# Altium PCB 2m_DBoard_RX.PcbDoc (part 2 of 3)
Units mm, origin at the board's own origin, x right, y up, seen from the top; angles counter-clockwise.
Board outline 63.5 x 139.7 mm, 8 copper layers (Top RF, AGND, AVDD, DVDD, GND 2, Signal 1, GND 1, Bottom Layer), stack 1.544 mm thick; 234 components, 188 nets, 1048 pads, 1067 vias.
Unrouted connection lines stored in the file: 2.
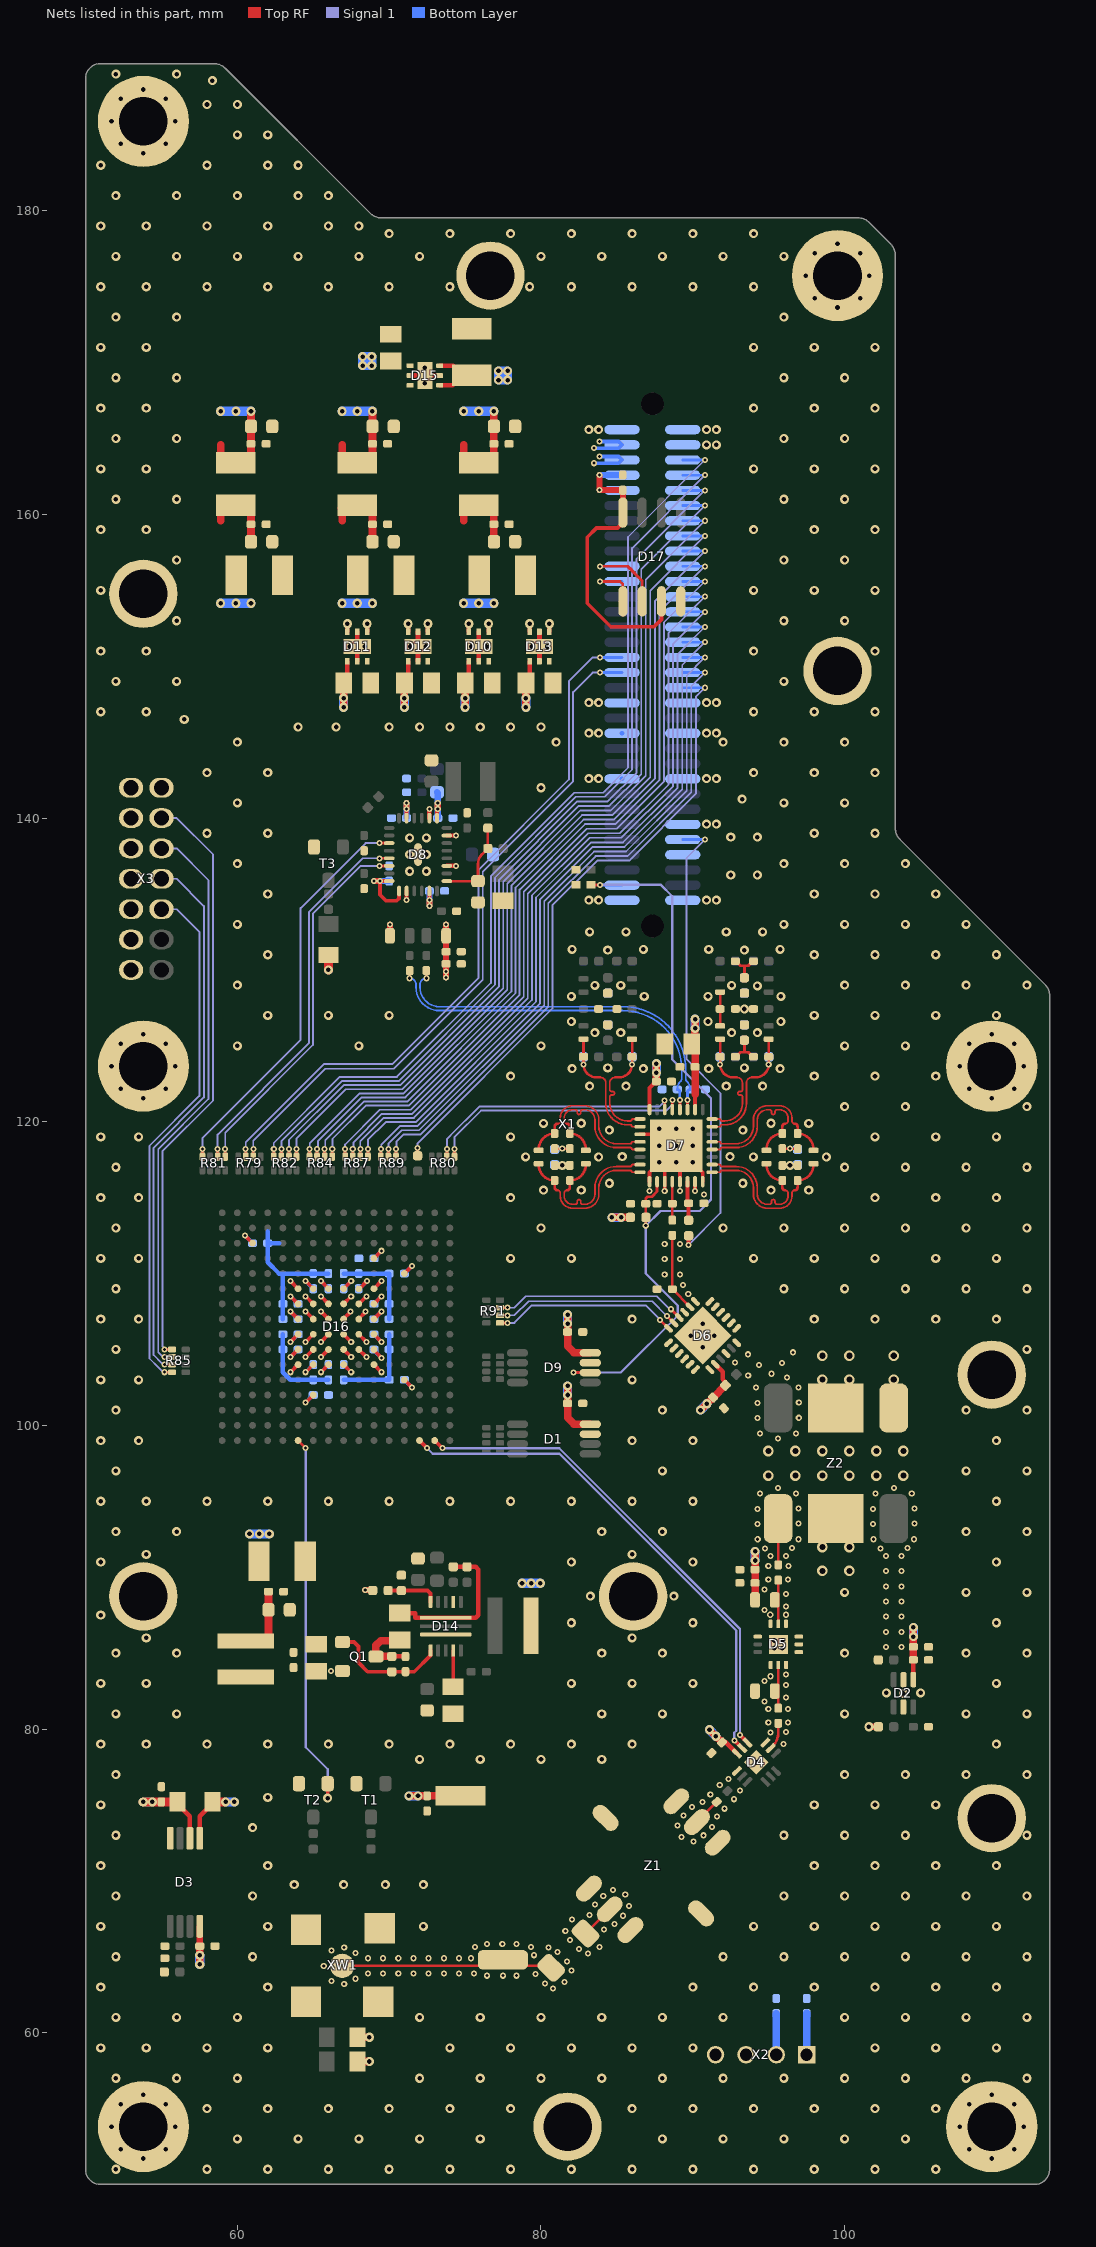
[diagram p8: the nets of this part, all layers, seen from the top]

## Part data (continued)
R15 R19 R25 R30: "SMD Resistor", Manufacturer="Panasonic Electronic Components", Power="0.063 Wt", Temperature Range=-55…155°C, Tolerance=0.5%, Name="Chip SMD Resistor", P/N=ERJ-2RKD24R9X, Supplier 1=Digi-key, Supplier 2=Mouser, Supplier 3=Farnell, Supplier Part Number 2=667-ERJ-2RKD24R9X
R17 R27: "SMD Resistor", Power="0.1 Wt", Supplier Part Number 1=P0.0JCT-ND, Temperature Range=-55…155°C, Tolerance=1%, Name="Chip SMD Resistor", P/N=ERJ-2GE0R00X, Supplier 1=Digi-key, Supplier 2=Mouser, Supplier 3=Farnell, Supplier Part Number 2=667-ERJ-2GE0R00X
R20: "SMD Resistor", Manufacturer="Panasonic Electronic Components", Power="0.062 Wt", Supplier Part Number 1=P100JCT-ND, Temperature Range=-55…155°C, Tolerance=5%, Name="Chip SMD Resistor", P/N=ERJ-2GEJ101X, Supplier 1=Digi-key, Supplier 2=Mouser, Supplier 3=Farnell, Supplier Part Number 2=667-ERJ-2GEJ101X
R23: "SMD Resistor", Manufacturer="Panasonic Electronic Components", Power="0.2 Wt", Supplier Part Number 1=P47DCCT-ND, Temperature Range=-55…155°C, Tolerance=0.1%, Name="Chip SMD Resistor", P/N=ERA-2AEB470X, Supplier 1=Digi-key, Supplier 2=Mouser, Supplier 3=Farnell, Supplier Part Number 2=667-ERA-2AEB470X
R29: "SMD Resistor", Manufacturer="Panasonic Electronic Components", Power="0.2 Wt", Supplier Part Number 1=P28.7LCT-ND, Temperature Range=-55…155°C, Tolerance=1%, Name="Chip SMD Resistor", P/N=ERJ-2RKF28R7X, Supplier 1=Digi-key, Supplier 2=Mouser, Supplier 3=Farnell
R31: "SMD Resistor", Power="0.1 Wt", Supplier Part Number 1=P15.0HCT-ND, Temperature Range=-55…155°C, Tolerance=1%, Name="Chip SMD Resistor", P/N=ERJ-3EKF15R0V, Supplier 1=Digi-key, Supplier 2=Mouser, Supplier 3=Farnell, Supplier Part Number 2=667-ERJ-3EKF15R0V
R33: "SMD Resistor", Manufacturer="Panasonic Electronic Components", Power="0.063 Wt", Supplier Part Number 1=P71.5KLCT-ND, Temperature Range=-55…155°C, Tolerance=1%, Name="Chip SMD Resistor", P/N=ERJ-2RKF7152X, Supplier 1=Digi-key, Supplier 2=Mouser, Supplier 3=Farnell, Supplier Part Number 2=667-ERJ-2RKF7152X
R34: "SMD Resistor", Manufacturer="Panasonic Electronic Components", Power="0.063 Wt", Supplier Part Number 1=P681KLCT-ND, Temperature Range=-55…155°C, Tolerance=1%, Name="Chip SMD Resistor", P/N=ERJ-2RKF6813X, Supplier 1=Digi-key, Supplier 2=Mouser, Supplier 3=Farnell, Supplier Part Number 2=667-ERJ-2RKF6813X
R35: "SMD Resistor", Manufacturer="Panasonic Electronic Components", Power="0.1 Wt", Supplier Part Number 1=P23.7KHCT-ND, Temperature Range=-55…155°C, Tolerance=1%, Name="Chip SMD Resistor", P/N=ERJ-3EKF2372V, Supplier 1=Digi-key, Supplier 2=Mouser, Supplier 3=Farnell, Supplier Part Number 2=667-ERJ-3EKF2372V
R36: "SMD Resistor", Manufacturer="Panasonic Electronic Components", Power="0.063 Wt", Supplier Part Number 1=P732KLCT-ND, Temperature Range=-55…155°C, Tolerance=1%, Name="Chip SMD Resistor", P/N=ERJ-2RKF7323X, Supplier 1=Digi-key, Supplier 2=Mouser, Supplier 3=Farnell, Supplier Part Number 2=667-ERJ-2RKF7323X
R37: "SMD Resistor", Manufacturer="Panasonic Electronic Components", Power="0.063 Wt", Supplier Part Number 1=P178KLCT-ND, Temperature Range=-55…155°C, Tolerance=1%, Name="Chip SMD Resistor", P/N=ERJ-2RKF1783X, Supplier 1=Digi-key, Supplier 2=Mouser, Supplier 3=Farnell, Supplier Part Number 2=667-ERJ-2RKF1783X
R38: "SMD Resistor", Manufacturer="Panasonic Electronic Components", Power="0.063 Wt", Supplier Part Number 1=P80.6KLCT-ND, Temperature Range=-55…155°C, Tolerance=1%, Name="Chip SMD Resistor", P/N=ERJ-2RKF8062X, Supplier 1=Digi-key, Supplier 2=Mouser, Supplier 3=Farnell, Supplier Part Number 2=667-ERJ-2RKF8062X
R79 R80 R81 R82 R84 R85 R86 R87 R88 R89 R91: "Chip Resistor Array", Manufacturer=Panasonic, Number of Resistors=4, Supplier Part Number 1=Y10330CT-ND, Tolerance=5%, Name=EXBN8V, Number of Terminals=8, P/N=EXB-N8V330JX, Series=EXB, Supplier 2=Mouser, Supplier 3=Farnell, Supplier Part Number 2=667-EXB-N8V330JX, Type="0402 Array Concave Terminal"
  R79 R80 R82 R84 R85 R86 R87 R88 R89 R91: Supplier 1=Digi-key
  R81: Supplier 1=Digi-Key
T1 T2 T3: "N-Channel MOSFET 2N7002", Channel Resistance=5Ohm, Current=300mA, Package=SOT-23, Power Dissipation=0.83W, Supplier Part Number 1=1727-8643-1-ND, Voltage=60V, Name=2N7002, P/N=2N7002NXAKR, Supplier 1=Digi-key, Supplier 2=Mouser, Supplier 3=Farnell, Supplier Part Number 2=771-2N7002NXAKR, Type=SOT-23
X1: "USRP DBoard", Manufacturer=Molex, Supplier Part Number 1=WM17201-ND, Name="1.00mm Pitch Mezzanine 714390164", P/N=714390164, Supplier 1=Digi-key, Supplier 2=Mouser, Supplier 3=Farnell, Supplier 4=Digi-key, Supplier 5=Mouser, Supplier 6=Farnell, Supplier Part Number 2=538-71439-0164
X2: "2.00mm Pitch Sherlock Wire-to-Board Header, Right-Angle, with Positive Lock, 4 Circuits", Manufacturer=Molex, Supplier Part Number 1=WM18933-ND, Mate-with P/N=355070400, Mate-with Series=35507, Name=353630460, P/N=353630460, Pitch=2.00mm, Series=35363, Supplier 1=Digi-Key, Supplier 2=Mouser, Supplier 3=Farnell, Supplier Part Number 2=538-35363-0460, Type="2.00mm Pitch Sherlock Wire-to-Board Header, Right-Angle"
X3: library part "HDR Debug_14-pin", "2.00mm Pitch, Milli-Grid PCB Header, Dual Row, Vertical, Through Hole, Shrouded, 14 / Circuits", Manufacturer=Molex, Supplier Part Number 1=WM4224-ND, Name="Milli-Grid Connector System", P/N=878311421, Series=87831, Supplier 1=Digi-key, Supplier 2=Mouser, Supplier 3=Farnell, Supplier Part Number 2=538-87831-1421, Type="2.00mm Pitch, Milli-Grid PCB Header, Dual Row, Vertical, Through Hole, Shrouded, 14"
XW1: library part "RF Connector", "50 Ohms, SMA Jack, Vertica", Manufacturer=Molex, Supplier Part Number 1=WM9458-ND, Impedance=50Ω, Name="SMA Jack", P/N=0732511352, Supplier 1=Digi-Key, Supplier 2=Mouser, Supplier 3=Farnell, Supplier Part Number 2=538-73251-1352, Type="50 Ohms, SMA Jack, Vertical, PCB SMT, Gold (Au) Body"
Z1: "High Pass Filter", Frequency="300 to 2200 MHz", Manufacturer=Mini-Circuits, Package=GP731, Supplier Part Number 1=3157-RHP-260+CT-ND, Impedance=50Ω, Name=RHP-260+, P/N=RHP-260+, Supplier 1=Digi-key, Supplier 2=Mouser, Supplier 3=Farnell, Supplier Part Number 2=139-RHP-260, Type="High Pass Filter"
Z2: "Directional Coupler", Frequency="30 to 3000 MHz", Manufacturer=Mini-Circuits, Package=AH202, Supplier Part Number 1=3157-SYD-20-33+CT-ND, Coupling=20dB, Impedance=50Ω, Name=SYD-20-33+, P/N=SYD-20-33+, Supplier 1=Digi-key, Supplier 2=Mouser, Supplier 3=Farnell, Supplier Part Number 2=139-SYD-20-33, Type="Directional Coupler"

## Via types
v1: diameter 0.6, hole 0.3, Top RF to Bottom Layer, tented both sides, 699 vias
v2: diameter 0.4, hole 0.2, Top RF to Bottom Layer, tented both sides, 346 vias
v3: diameter 0.7, hole 0.4, Top RF to Bottom Layer, tented both sides, 22 vias

## Nets (pads, with @x,y where several pads share a name; then routed paths per layer and width w, separated by ;. In a path a pad name is that pad's centre, name@x,y a point inside that pad or via, vN(x,y) a via of type N, cw(c..) or ccw(c..) an arc to the next point about the centre after c; other vN are vias at no path point)
3V3: C34.1 C68.2 C97.2 C98.2 C99.2 C200.2 C201.2 C202.2 C203.2 C204.2 C205.2 C206.2 C207.2 C208.2 C209.2 C210.2 C211.2 C212.2 C213.2 C214.2 C215.1 C216.1 C217.1 C218.1 C219.1 D7.7 D7.24 D8.8 D8.9 D16.D5 D16.D12 D16.F4 D16.F7 D16.F8 D16.F9 D16.F10 D16.G6 D16.H6 D16.H11 D16.J6 D16.J11 D16.K6 D16.K11 D16.K13 D16.L7 D16.L8 D16.L9 D16.L10 D16.P3 H1.2 H2.2 H3.2 L23.2 X3.2 | length 47.8
  Top RF w0.25: v2(60.5,112.5) D16.P3@61,112 ; v2(63.5,104.5) D16.L10@64,105 ; v2(63.5,105.5) D16.L9@64,106 ; v2(63.5,107.5) D16.L8@64,107 ; v2(63.5,108.5) D16.L7@64,108 ; v2(64.5,101.5) D16.K13@65,102 ; v2(64.5,103.5) D16.K11@65,104 ; v2(64.5,109.5) D16.K6@65,109 ; v2(65.5,103.5) D16.J11@66,104 ; v2(65.5,109.5) D16.J6@66,109 ; D16.H11@67,104 v2(67.5,103.5) ; D16.H6@67,109 v2(67.5,109.5) ; D16.G6@68,109 68.05,109 v2(68.55,109.5) ; D16.F10@69,105 69,104.95 v2(69.5,104.45) ; D16.F9@69,106 v2(69.5,105.5) ; D16.F8@69,107 v2(69.5,107.5) ; D16.F7@69,108 v2(69.5,108.5) ; D16.F4@69,111 v2(69.5,111.5) ; D8.8@70,135.85 v2(69.4,135.85) 69.4,134.95 69.8,134.55 70.5,134.55 70.65,134.7 D8.9@70.65,135.2 ; D16.D12@71,103 v2(71.5,102.5) ; D16.D5@71,110 v2(71.5,110.5) ; D7.24@87.15,120.8 87.15,122.231 87.4,122.481 87.4,122.531 87.525,122.656 C34.1@87.575,122.656 ; v2(90.15,115.45) D7.7@90.15,116.05
  Top RF w0.4: v2(69,135.85) v2(69.4,135.85)
  Top RF w0.5: 58.9,159.6 58.9,160.35 58.85,160.4 59.053,160.603 L23.2@59.9,160.603 60.45,160.603 60.9,160.153 60.9,159.4 C98.2@60.9,158.4 ; H1.2@67.91,58.1 v1(68.7,58.1) ; H2.2@67.91,59.7 v1(68.7,59.7) ; C34.1@87.6,122.65 v1(87.6,123.225) v1(87.6,123.825)
  Top RF w0.6: v1(66,130) H3.2@66,130.99
  Bottom Layer w0.25: v2(60.5,112.5) 60.825,112.175 60.825,112.125 60.95,112 C216.1@61,112 ; v2(63.5,104.5) 63.825,104.825 63.825,104.875 63.95,105 C206.2@64,105 ; v2(63.5,105.5) 63.825,105.825 63.825,105.875 63.95,106 C207.2@64,106 ; v2(63.5,107.5) 63.825,107.175 63.825,107.125 63.95,107 C203.2@64,107 ; v2(63.5,108.5) 63.825,108.175 63.825,108.125 63.95,108 C202.2@64,108 ; v2(64.5,101.5) 64.825,101.825 64.825,101.875 64.95,102 C217.1@65,102 ; v2(64.5,103.5) 64.825,103.825 64.875,103.825 65,103.95 C205.2@65,104 ; v2(64.5,109.5) 64.825,109.175 64.875,109.175 65,109.05 C201.2@65,109 ; v2(65.5,103.5) 65.825,103.825 65.875,103.825 66,103.95 C204.2@66,104 ; v2(65.5,109.5) 65.825,109.175 65.875,109.175 66,109.05 C200.2@66,109 ; C214.2@67,104 67,103.95 67.125,103.825 67.175,103.825 v2(67.5,103.5) ; C211.2@67,109 67,109.05 67.125,109.175 67.175,109.175 v2(67.5,109.5) ; C210.2@68,109 68,109.05 68.125,109.175 68.225,109.175 v2(68.55,109.5) ; C212.2@69,105 69.05,105 69.175,104.875 69.175,104.775 v2(69.5,104.45) ; C213.2@69,106 69.05,106 69.175,105.875 69.175,105.825 v2(69.5,105.5) ; C209.2@69,107 69.05,107 69.175,107.125 69.175,107.175 v2(69.5,107.5) ; C208.2@69,108 69.05,108 69.175,108.125 69.175,108.175 v2(69.5,108.5) ; C215.1@69,111 69.05,111 69.175,111.125 69.175,111.175 v2(69.5,111.5) ; C218.1@71,103 71.05,103 71.175,102.875 71.175,102.825 v2(71.5,102.5) ; C219.1@71,110 71.05,110 71.175,110.125 71.175,110.175 v2(71.5,110.5)
  Bottom Layer w0.4: v2(69,135.85) v2(69.4,135.85) C68.2@70,135.85
  Bottom Layer w0.6: v1(58.9,154.15) v1(60.9,154.15) ; v1(87.6,123.225) v1(87.6,123.825)
  other v1: 59.9,154.15
3V3_CVDD: C44.2 C45.2 C60.2 C66.2 C76.1 D8.13 D8.27 D11.1 L11.2 L12.2 | length 12.4
  Top RF w0.25: D8.27@71.15,140 v2(71.15,140.6) ; v2(72.65,134.6) D8.13@72.65,135.2
  Top RF w0.3: C76.1@67.011,148.9 67.25,149.139 D11.1@67.25,150.325
  Top RF w0.4: L11.2@70.05,132.25 v2(70.05,133) ; v2(71.15,140.6) v2(71.15,141) ; v2(72.65,134.2) v2(72.65,134.6) ; v2(73.75,129.5) v2(73.75,129.9) C44.2@73.75,130.4 C45.2@73.75,131.2 L12.2@73.75,132.25 v2(73.75,133)
  Top RF w0.5: v1(67,147.3) 67.006,147.306 67.006,148.895 C76.1@67.011,148.9
  Bottom Layer w0.4: C66.2@71.15,140 v2(71.15,140.6) v2(71.15,141) ; v2(72.65,134.2) v2(72.65,134.6) C60.2@72.65,135.2 ; v2(73.75,129.5) v2(73.75,129.9)
  Bottom Layer w0.6: v1(67,147.3) v1(67,147.9)
3V3_DVDD_RX: C9.2 D17.3 D17.8 X1.71 X1.73 | length 21.7
  Top RF w0.25: D17.8@85.395,160.121 85.395,159.445 85.05,159.1 83.65,159.1 83.05,158.5 83.05,154.15 84.6,152.6 87.45,152.6 87.932,153.082 D17.3@87.932,154.276
  Top RF w0.4: v2(83.85,162.6) v2(83.85,161.6) 85.4,161.6 85.398,161.597 85.398,160.123 D17.8@85.395,160.121
  Bottom Layer w0.4: v2(83.85,161.6) 85.322,161.6 X1.73@85.338,161.584 ; v2(83.85,162.6) 85.322,162.6 X1.71@85.338,162.584
5V_AVDD: C14.2 C15.2 C87.1 D13.1 L1.2 | length 7.4
  Top RF w0.3: C87.1@79.011,148.9 79.25,149.139 D13.1@79.25,150.325
  Top RF w0.5: v1(79,147.3) 79.006,147.306 79.006,148.895 C87.1@79.011,148.9 ; C15.2@94.096,89.627 C15.2@94.1,89.627 ; L1.2@94.1,88.5 C15.2@94.1,89.627 ; C14.2@94.1,90.5 C15.2@94.1,89.627 ; v1(94.1,91.7) v1(94.1,91.1) 94.119,91.081 C14.2@94.119,90.654
  Bottom Layer w0.6: v1(79,147.3) v1(79,147.9) ; v1(94.1,91.1) v1(94.1,91.7)
5V_CVDD: C63.1 C83.1 D8.23 D12.1 R31.2 | length 6.5
  Top RF w0.25: D8.23@73.15,140 73.15,140.509 73.2,140.559 v2(73.2,140.6) v2@73.171,140.571
  Top RF w0.3: C83.1@71.011,148.9 71.25,149.139 D12.1@71.25,150.325
  Top RF w0.4: v2(73.2,140.6) v2(73.2,141)
  Top RF w0.5: v1(71,147.3) 71.006,147.306 71.006,148.895 C83.1@71.011,148.9
  Bottom Layer w0.4: C63.1@73.15,140 73.2,140.05 v2(73.2,140.6) v2(73.2,141) 73.2,141.65 R31.2@73.15,141.7
  Bottom Layer w0.6: v1(71,147.3) v1(71,147.9)
5V_DEMOD: C36.1 C37.2 C101.1 D7.18 D10.1 R11.1 | length 12.3
  Top RF w0.25: D7.18@90.15,120.8 90.15,121.8
  Top RF w0.3: C101.1@75.011,148.9 75.25,149.139 D10.1@75.25,150.325
  Top RF w0.5: v1(75,147.3) 75.006,147.306 75.006,148.895 C101.1@75.011,148.9 ; v1(84.675,113.7) v1(85.275,113.7) R11.1@85.892,113.7 ; 90.15,121.8 C36.1@90.15,123.613 90.15,124.89 C37.2@89.925,125.115 90.131,125.321 90.131,126.131 v1(90.15,126.15) v1(90.15,126.75)
  Bottom Layer w0.6: v1(75,147.3) v1(75,147.9) ; v1(84.675,113.7) v1(85.275,113.7) ; v1(90.15,126.15) v1(90.15,126.75)
6V: C74.1 C77.2 C78.2 C93.2 D14.12 D15.4 D15.6 L20.1 L21.1 X1.67 X1.69 | length 25.4
  Top RF w0.25: C74.1@74.225,82.825 D14.12@74.225,85.175
  Top RF w0.3: D15.4@73.325,168.5 74.174,168.5 C93.2@74.85,169.176 ; D15.6@73.325,169.8 74.226,169.8 C93.2@74.85,169.176 ; C93.2@75.45,169.176 C93.2@74.85,169.176
  Top RF w0.5: 74.9,164.6 74.9,163.847 75.35,163.397 L21.1@75.9,163.397 76.647,163.397 76.9,163.65 C77.2@76.9,164.65 v1(76.9,166.8)
  Bottom Layer w0.25: v2(83.482,163.373) 85.104,163.373 85.335,163.604 85.116,163.823 v2(83.857,163.823) ; v2(83.482,164.364) 85.104,164.364 85.335,164.594 85.116,164.814 v2(83.857,164.814)
  Bottom Layer w0.6: v1(74.9,166.8) v1(75.9,166.8) v1(76.9,166.8) ; v1(78.75,89.6) v1(79.35,89.6) v1(79.95,89.6) ; v1(77.2,168.85) v1(77.2,169.45) v1(77.8,169.45) v1(77.8,168.85) v1(77.2,168.85)
12V_AVDD: C13.1 C16.2 C17.2 C70.2 C71.2 C72.2 D3.2 L19.2 R6.1 X2.1 X2.2 | length 17
  Top RF w0.3: R6.1@56.05,75.2 56.05,75.075 56.875,74.25 D3.2@56.875,72.8
  Top RF w0.5: L19.2@60.55,85.785 61.81,85.785 62.05,86.025 C70.2@62.05,87.85 C71.2@62.05,89.05
  Top RF w0.6: v1(53.8,75.2) v1(54.4,75.2) C13.1@55,75.2 55.925,75.2 R6.1@56.05,75.075
  Bottom Layer w0.5: X2.2@95.498,58.547 95.5,58.549 C17.2@95.5,61.25 ; X2.1@97.498,58.547 97.498,61.198 97.5,61.2 C16.2@97.5,61.259
  Bottom Layer w0.6: v1(53.8,75.2) v1(54.4,75.2) ; v1(60.8,92.85) v1(61.45,92.85) v1(62.1,92.85)
_3V3: C88.2 C89.2 C94.1 C95.2 C96.2 D15.1 L22.1 L23.1 | length 19.3
  Top RF w0.3: C94.1@70.1,170.1 ccw(c70.4,170.1) C94.1@70.4,169.8
  Top RF w0.5: 58.9,164.6 58.9,163.847 59.35,163.397 L23.1@59.9,163.397 60.647,163.397 60.9,163.65 C95.2@60.9,164.65 v1(60.9,166.8) ; 66.9,164.6 66.9,163.847 67.35,163.397 68.647,163.397 68.9,163.65 C88.2@68.9,164.65 v1(68.9,166.8)
  Bottom Layer w0.6: v1(58.9,166.8) v1(59.9,166.8) v1(60.9,166.8) ; v1(66.9,166.8) v1(67.9,166.8) v1(68.9,166.8) ; v1(68.25,169.8) v1(68.25,170.4) v1(68.85,170.4) v1(68.85,169.8) v1(68.25,169.8)
_3V3_flt: C2.1 C6.2 C7.2 C8.2 C11.2 C19.2 C62.1 C90.2 C91.2 C92.2 D1.8 D2.4 D3.8 D4.12 D6.2 D9.8 L22.2 R1.1 R7.1 | length 31.1
  Top RF w0.3: D6.2@91.478,104.025 91.973,103.53 91.973,103.024 92.145,102.853 R7.1@92.145,102.641 ; C11.2@91.929,79.119 91.964,79.154 92.141,79.154 D4.12@92.901,78.394 ; D2.4@104.525,83.25 C8.2@104.525,84.55
  Top RF w0.4: C6.2@57.525,65.7 D3.8@57.525,67 ; v1(101.6,80.15) R1.1@102.217,80.15
  Top RF w0.5: v1(57.525,64.5) v1(57.525,65.1) C6.2@57.525,65.7 ; 66.9,159.6 66.9,160.35 66.85,160.4 67.053,160.603 L22.2@67.9,160.603 68.45,160.603 68.9,160.153 68.9,159.4 C91.2@68.9,158.4 ; v1(81.75,102.6) v1(81.75,102) C2.1@81.75,101.45 81.75,100.5 82.175,100.075 D1.8@83.25,100.075 ; v1(81.75,107.3) v1(81.75,106.7) C62.1@81.75,106.15 81.75,105.2 82.175,104.775 D9.8@83.25,104.775 ; v1(90.506,101.002) v1(90.93,101.427) C19.2@91.337,101.833 R7.1@92.145,102.641 R7.1@92.15,102.641 ; v1(91.098,79.95) v1(91.522,79.525) C11.2@91.929,79.119 ; C8.2@104.525,84.55 C7.2@104.525,85.413 v1(104.525,86.088) v1(104.525,86.688)
  Bottom Layer w0.6: v1(57.525,64.5) v1(57.525,65.1) ; v1(66.9,154.15) v1(67.9,154.15) v1(68.9,154.15) ; v1(81.75,102) v1(81.75,102.6) ; v1(81.75,106.7) v1(81.75,107.3) ; v1(90.506,101.002) v1(90.93,101.427) ; v1(91.098,79.95) v1(91.522,79.525) ; v1(104.525,86.088) v1(104.525,86.688)
_6V_flt: C79.2 C80.2 C81.2 D10.4 D10.6 D11.4 D11.6 D12.4 D12.6 D13.4 D13.6 L21.2 | length 11.1
  Top RF w0.3: D11.6@67.25,152.275 v1(67.25,152.8) ; D11.4@68.55,152.275 v1(68.55,152.8) ; D12.6@71.25,152.275 v1(71.25,152.8) ; D12.4@72.55,152.275 v1(72.55,152.8) ; D10.6@75.25,152.275 v1(75.25,152.8) ; D10.4@76.55,152.275 v1(76.55,152.8) ; D13.6@79.25,152.275 v1(79.25,152.8) ; D13.4@80.55,152.275 v1(80.55,152.8)
  Top RF w0.5: 74.9,159.6 74.9,160.35 74.85,160.4 75.053,160.603 L21.2@75.9,160.603 76.45,160.603 76.9,160.153 76.9,159.4 C80.2@76.9,158.4
  Bottom Layer w0.6: v1(74.9,154.15) v1(75.9,154.15) v1(76.9,154.15)
_12V_AVDD_Drpt: C12.1 D3.1 L18.1 R6.2 | length 8.6
  Top RF w0.3: D3.1@57.525,72.8 57.525,74.25 58.35,75.075 R6.2@58.35,75.2
  Top RF w0.5: v1(71.3,75.6) v1(71.9,75.6) C12.1@72.5,75.6 L18.1@74.7,75.6 L18.1@74.418,75.318
  Top RF w0.6: R6.2@58.35,75.075 58.475,75.2 v1(59.225,75.2)
  Bottom Layer w0.6: v1(59.225,75.2) v1(59.8,75.2) ; v1(71.3,75.6) v1(71.9,75.6)
_12V_TPS: C69.2 C84.2 L19.1 Q1.2 R36.2 | length 0.5
  Top RF w0.4: v2(68.425,89.15) R36.2@68.942,89.15
  other v2: 66.175,83.825
_ai_demod_n: C33.2 D7.29 L6.2 | length 10.3
  Top RF w0.115: 81.7,119.875 cw(c81.7,120.045) 81.53,120.045 81.53,120.25 cw(c82.065,120.25) 81.967,120.776 cw(c82.065,120.25) 81.969,120.776 cw(c82.065,120.25) 81.972,120.777 cw(c82.065,120.25) 82.029,120.784 82.065,120.785 82.264,120.785 cw(c82.264,120.668) 82.382,120.668 82.382,120.597 ccw(c82.499,120.597) 82.617,120.597 82.617,120.668 cw(c82.734,120.668) 82.734,120.785 82.89,120.785 82.896,120.785 cw(c82.89,120.125) 82.953,120.782 cw(c82.89,120.125) 83.55,120.125 83.55,119.705 ccw(c84.96,119.705) 84.96,118.295 85.905,118.295 cw(c85.905,118.235) 85.965,118.235 ccw(c86.025,118.235) 86.025,118.175 D7.29@86.525,118.175
  Top RF w0.17: 81.7,119.875 cw(c81.7,119.675) 81.9,119.675 C33.2@81.9,119.225 82.058,119.213 cw(c81.9,118.175) 82.95,118.175 L6.2@82.95,118.11
_ai_demod_p: C29.1 D7.28 L5.2 | length 10.3
  Top RF w0.115: 81.1,119.875 ccw(c81.1,120.045) 81.27,120.045 81.27,120.252 cw(c82.063,120.252) 82.063,121.045 82.892,121.045 cw(c82.892,120.127) 83.81,120.127 83.81,119.705 ccw(c84.96,119.705) 84.96,118.555 85.905,118.555 ccw(c85.905,118.615) 85.965,118.615 cw(c86.025,118.615) 86.025,118.675 D7.28@86.525,118.675
  Top RF w0.17: L5.2@79.85,118.11 79.85,118.175 cw(c80.9,118.175) 80.742,119.213 C29.1@80.9,119.225 80.9,119.675 cw(c81.1,119.675) 81.1,119.875
_aq_demod_n: C23.2 D7.12 L4.2 | length 10.3
  Top RF w0.115: D7.12@91.275,118.175 91.775,118.175 ccw(c91.775,118.235) 91.835,118.235 cw(c91.895,118.235) 91.895,118.295 92.84,118.295 ccw(c92.84,119.705) 94.25,119.705 94.25,120.125 cw(c94.91,120.125) 94.847,120.782 cw(c94.91,120.125) 94.904,120.785 94.91,120.785 95.066,120.785 cw(c95.066,120.668) 95.183,120.668 95.183,120.597 ccw(c95.301,120.597) 95.418,120.597 95.418,120.668 cw(c95.536,120.668) 95.536,120.785 95.735,120.785 95.771,120.784 cw(c95.735,120.25) 95.828,120.777 ; 95.833,120.776 cw(c95.735,120.25) 96.27,120.25 96.27,120.045 cw(c96.1,120.045) 96.1,119.875
  Top RF w0.17: L4.2@94.85,118.11 94.85,118.175 cw(c95.9,118.175) 95.743,119.213 C23.2@95.9,119.225 95.9,119.675 cw(c96.1,119.675) 96.1,119.875
_aq_demod_p: C21.1 D7.13 L3.2 | length 10.3
  Top RF w0.115: D7.13@91.275,118.675 91.775,118.675 cw(c91.775,118.615) 91.835,118.615 ccw(c91.895,118.615) 91.895,118.555 92.84,118.555 ccw(c92.84,119.705) 93.99,119.705 93.99,120.127 cw(c94.908,120.127) 94.908,121.045 95.737,121.045 cw(c95.737,120.252) 96.53,120.252 96.53,120.045 ccw(c96.7,120.045) 96.7,119.875
  Top RF w0.17: 96.7,119.875 cw(c96.7,119.675) 96.9,119.675 C21.1@96.9,119.225 97.058,119.213 cw(c96.9,118.175) 97.95,118.175 L3.2@97.95,118.11
_AVDD_RX_Injctd: C1.1 L18.2 XW1.S | length 13.8
  Top RF w0.17: XW1.S@66.9,64.4 77.4,64.4 80.352,64.4 cw(c80.352,63.952) C1.1@80.669,64.269
_ifi_demod_n: C54.2 D7.25 L16.1 R26.2 | length 8.8
  Top RF w0.115: 84.9,122.925 ccw(c84.9,122.555) 84.53,122.555 84.53,122.361 84.53,122.111 ccw(c84.648,122.111) 84.648,121.993 84.717,121.993 cw(c84.717,121.876) 84.717,121.758 84.648,121.758 ccw(c84.648,121.641) 84.53,121.641 84.53,121.348 84.53,121.215 ccw(c85.69,121.215) 85.69,120.055 85.905,120.055 ccw(c85.905,120.115) 85.965,120.115 cw(c86.025,120.115) 86.025,120.175 D7.25@86.525,120.175
  Top RF w0.17: 84.9,122.925 85.15,122.925 ccw(c85.15,123.775) v2(86,123.775) C54.2@86,124.275 L16.1@86,125.44
  Bottom Layer w0.17: v2@86.008,123.775 R26.2@86.008,124.275
  Bottom Layer w0.185: v2(86,123.775) v2@86.008,123.775
_ifi_demod_p: C48.1 D7.26 L13.1 R21.1 | length 8.8
  Top RF w0.115: 83.9,122.925 cw(c83.9,122.555) 84.27,122.555 84.27,121.215 ccw(c85.69,121.215) 85.69,119.795 85.905,119.795 cw(c85.905,119.735) 85.965,119.735 ccw(c86.025,119.735) 86.025,119.675 D7.26@86.525,119.675
  Top RF w0.17: L13.1@82.8,125.44 C48.1@82.8,124.275 v2(82.8,123.775) ccw(c83.65,123.775) 83.65,122.925 83.9,122.925
  Bottom Layer w0.17: R21.1@82.792,124.275 82.8,124.275 v2(82.8,123.775)
_ifq_demod_n: C42.2 D7.15 L9.1 R16.2 | length 8.8
  Top RF w0.115: D7.15@91.275,119.675 91.775,119.675 ccw(c91.775,119.735) 91.835,119.735 cw(c91.895,119.735) 91.895,119.795 92.11,119.795 ccw(c92.11,121.215) 93.53,121.215 93.53,122.555 cw(c93.9,122.555) 93.9,122.925
  Top RF w0.17: 93.9,122.925 94.15,122.925 ccw(c94.15,123.775) v2(95,123.775) C42.2@95,124.275 L9.1@95,125.44
  Bottom Layer w0.17: v2(95,123.775) R16.2@95,124.275
_ifq_demod_p: C38.1 D7.16 L7.1 R12.1 | length 8.8
  Top RF w0.115: D7.16@91.275,120.175 91.775,120.175 cw(c91.775,120.115) 91.835,120.115 ccw(c91.895,120.115) 91.895,120.055 92.11,120.055 ccw(c92.11,121.215) 93.27,121.215 93.27,121.348 93.27,121.641 ccw(c93.152,121.641) 93.152,121.758 93.083,121.758 cw(c93.083,121.876) 93.083,121.993 93.152,121.993 ccw(c93.152,122.111) 93.27,122.111 93.27,122.361 93.27,122.555 ccw(c92.9,122.555) 92.9,122.925
  Top RF w0.17: L7.1@91.8,125.44 C38.1@91.8,124.275 v2(91.8,123.775) ccw(c92.65,123.775) 92.65,122.925 92.9,122.925
  Bottom Layer w0.17: v2@91.792,123.775 R12.1@91.792,124.275
  Bottom Layer w0.185: v2@91.792,123.775 v2(91.8,123.775)
_IFreq_Attnd: C10.2 D5.2 L2.2 | length 2.8
  Top RF w0.17: C10.2@95.625,81.375 95.625,82.495 95.63,82.5 D5.2@95.63,84.22
_lo1_vtune: C52.2 D8.15 R23.2 R29.1 | length 5.9
  Top RF w0.17: D8.15@73.8,135.85 C52.2@75.85,135.85 75.85,136.996 cw(c76.704,136.996) 76.1,137.6 R29.1@76.5,138 R23.2@76.5,139.342
  Top RF w0.185: R29.1@76.45,138.05 cw(c76.45,138) R29.1@76.5,138 ; R23.2@76.492,139.334 R23.2@76.5,139.342
_mi_demod_n: C32.2 D7.31 L6.1 | length 10.4
  Top RF w0.115: 81.7,115.475 ccw(c81.7,115.305) 81.53,115.305 81.53,115.1 ccw(c82.065,115.1) 81.967,114.574 ; 81.972,114.573 ccw(c82.065,115.1) 82.029,114.566 82.065,114.565 82.264,114.565 ccw(c82.264,114.683) 82.382,114.683 82.382,114.753 cw(c82.499,114.753) 82.617,114.753 82.617,114.683 ccw(c82.734,114.683) 82.734,114.565 82.89,114.565 82.896,114.565 ccw(c82.89,115.225) 82.953,114.568 ccw(c82.89,115.225) 83.55,115.225 83.55,115.645 cw(c84.96,115.645) 84.96,117.055 85.905,117.055 ccw(c85.905,117.115) 85.965,117.115 cw(c86.025,117.115) 86.025,117.175 D7.31@86.525,117.175
  Top RF w0.17: 81.7,115.475 ccw(c81.7,115.675) 81.9,115.675 C32.2@81.9,116.125 82.058,116.137 ccw(c81.9,117.175) L6.1@82.95,117.175 ; L6.1@82.95,117.175 L6.1@82.95,117.24 L6.1@82.95,117.175
_mi_demod_p: C28.1 D7.32 L5.1 | length 10.4
  Top RF w0.115: 81.1,115.475 cw(c81.1,115.305) 81.27,115.305 81.27,115.098 ccw(c82.063,115.098) 82.063,114.305 82.892,114.305 ccw(c82.892,115.223) 83.81,115.223 83.81,115.645 cw(c84.96,115.645) 84.96,116.795 85.905,116.795 cw(c85.905,116.735) 85.965,116.735 ccw(c86.025,116.735) 86.025,116.675 D7.32@86.525,116.675
  Top RF w0.17: 81.1,115.475 cw(c81.1,115.675) 80.9,115.675 C28.1@80.9,116.125 80.742,116.137 cw(c80.9,117.175) L5.1@79.85,117.175 ; L5.1@79.85,117.175 L5.1@79.85,117.24 L5.1@79.85,117.175
_mq_demod_n: C22.2 D7.10 L4.1 | length 10.3
  Top RF w0.115: D7.10@91.275,117.175 91.775,117.175 cw(c91.775,117.115) 91.835,117.115 ccw(c91.895,117.115) 91.895,117.055 92.84,117.055 cw(c92.84,115.645) 94.25,115.645 94.25,115.225 ccw(c94.91,115.225) 94.847,114.568 ccw(c94.91,115.225) 94.904,114.565 94.91,114.565 95.066,114.565 ccw(c95.066,114.683) 95.183,114.683 95.183,114.753 cw(c95.301,114.753) 95.418,114.753 95.418,114.683 ccw(c95.536,114.683) 95.536,114.565 95.735,114.565 95.771,114.566 ccw(c95.735,115.1) 95.828,114.573 ; 95.833,114.574 ccw(c95.735,115.1) 96.27,115.1 96.27,115.305 ccw(c96.1,115.305) 96.1,115.475